# Altium PCB BMYY_PCB_RULER-Black.PcbDoc (part 3 of 4)
Units mm, origin at the board's own origin, x right, y up, seen from the top; angles counter-clockwise.
Board outline 310.85 x 30 mm, 2 copper layers (Top, Bottom), stack 1.569 mm thick; 49 components, 0 nets, 2684 pads, 0 vias.
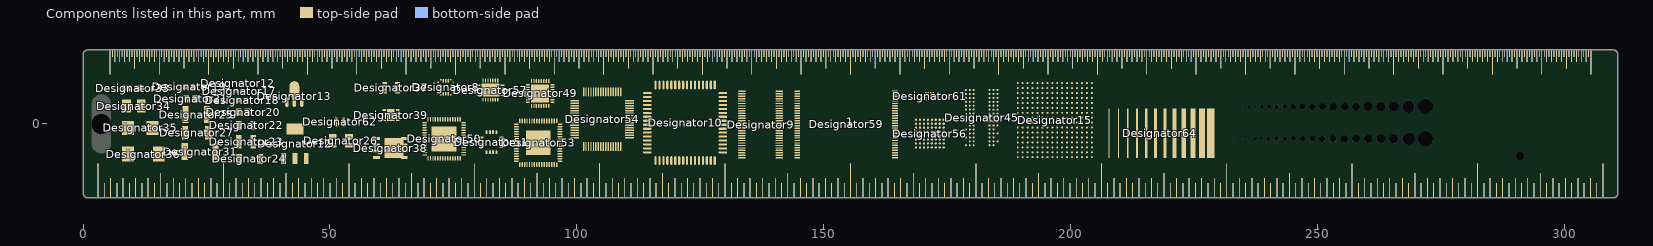
[diagram p3: the components of this part, seen from the top]

## Nets (pads, with @x,y where several pads share a name; then routed paths per layer and width w, separated by ;. In a path a pad name is that pad's centre, name@x,y a point inside that pad or via, vN(x,y) a via of type N, cw(c..) or ccw(c..) an arc to the next point about the centre after c; other vN are vias at no path point) (continued)
copper on no net: | length 2216.2
  Top w0.1: 276,-6.5 278.5,-6.5 ; 276.002,-6.238 277.21,-6.259 ; 276.009,-5.976 277.216,-6.018 ; 276.02,-5.715 277.227,-5.778 ; 276.036,-5.453 277.241,-5.538 ; 276.057,-5.192 278.049,-5.367 ; 276.082,-4.932 277.283,-5.058 ; 276.112,-4.672 277.31,-4.819 ; 276.146,-4.412 277.342,-4.58 ; 276.185,-4.153 277.377,-4.342 ; 276.228,-3.895 278.69,-4.329 ; 276.275,-3.638 277.461,-3.868 ; 276.328,-3.381 277.509,-3.632 ; 276.384,-3.125 277.561,-3.397 ; 276.445,-2.871 277.617,-3.163 ; 276.581,-2.365 277.742,-2.698 ; 276.655,-2.114 277.81,-2.467 ; 276.734,-1.864 277.883,-2.238 ; 276.817,-1.616 277.959,-2.009 ; 276.904,-1.369 279.254,-2.224 ; 276.996,-1.124 278.124,-1.557 ; 277.092,-0.881 278.212,-1.333 ; 277.192,-0.639 278.304,-1.111 ; 277.297,-0.399 278.4,-0.89 ; 277.518,0.076 278.604,-0.454 ; 277.635,0.31 278.711,-0.238 ; 277.678,-2.93 276.511,-2.617 278.443,-3.135 ; 277.756,0.542 278.822,-0.025 ; 277.881,0.772 278.937,0.187 ; 278.009,1 280.175,-0.25 ; 278.142,1.226 279.178,0.604 ; 278.279,1.449 279.303,0.809 ; 278.42,1.67 279.433,1.012 ; 278.5,-0.671 277.405,-0.16 279.218,-1.006 ; 278.564,1.888 279.566,1.213 ; 278.865,2.317 279.842,1.607 ; 279.02,2.528 279.985,1.801 ; 279.18,2.735 280.131,1.992 ; 279.343,2.94 280.281,2.18 ; 279.509,3.142 281.424,1.535 ; 279.679,3.341 280.591,2.549 ; 279.702,1.411 278.713,2.104 280.351,0.957 ; 279.853,3.537 280.75,2.729 ; 280.03,3.73 280.913,2.907 ; 280.21,3.92 281.079,3.081 ; 280.58,4.29 281.419,3.422 ; 280.77,4.471 281.594,3.587 ; 280.963,4.648 281.771,3.75 ; 281.159,4.821 281.951,3.909 ; 281.247,3.253 280.393,4.107 281.807,2.693 ; 281.358,4.991 282.965,3.076 ; 281.56,5.158 282.32,4.219 ; 281.765,5.32 282.509,4.369 ; 281.973,5.48 282.7,4.515 ; 282.034,-5.715 286.019,-6.064 ; 282.137,-4.937 286.076,-5.631 ; 282.183,5.636 282.893,4.658 ; 282.307,-4.17 286.17,-5.206 ; 282.543,-3.421 286.301,-4.79 ; 282.612,5.936 283.287,4.935 ; 282.83,6.08 283.488,5.067 ; 282.843,-2.696 286.468,-4.387 ; 283.051,6.221 283.691,5.197 ; 283.089,4.798 282.396,5.788 283.543,4.149 ; 283.206,-2 286.67,-4 ; 283.274,6.358 283.896,5.323 ; 283.5,6.491 284.75,4.326 ; 283.627,-1.337 286.904,-3.632 ; 283.728,6.62 284.313,5.563 ; 283.958,6.745 284.525,5.678 ; 284.105,-0.715 287.17,-3.286 ; 284.19,6.865 284.738,5.789 ; 284.424,6.982 284.954,5.897 ; 284.636,-0.136 287.464,-2.964 ; 284.899,7.204 285.39,6.1 ; 285.139,7.308 285.611,6.196 ; 285.171,6 284.661,7.095 285.506,5.282 ; 285.215,0.395 287.786,-2.669 ; 285.381,7.408 285.833,6.288 ; 285.624,7.504 286.057,6.376 ; 285.838,0.873 288.132,-2.404 ; 285.87,7.596 286.725,5.247 ; 286.116,7.683 286.51,6.541 ; 286.365,7.766 286.738,6.618 ; 286.5,1.295 288.5,-2.17 ; 286.614,7.845 286.967,6.69 ; 286.865,7.919 287.198,6.758 ; 287.196,1.657 288.887,-1.968 ; 287.371,8.055 287.663,6.883 ; 287.43,6.823 287.118,7.989 287.635,6.057 ; 287.626,8.116 287.897,6.939 ; 287.881,8.173 288.132,6.991 ; 287.922,1.958 289.29,-1.801 ; 288.045,-5.979 290.113,-6.344 ; 288.138,8.225 288.368,7.039 ; 288.181,-5.474 290.154,-6.192 ; 288.395,8.272 288.829,5.81 ; 288.402,-5 290.22,-6.05 ; 288.653,8.316 288.842,7.123 ; 288.67,2.194 289.706,-1.67 ; 288.701,-4.572 290.31,-5.921 ; 288.912,8.354 289.08,7.158 ; 289.071,-4.202 290.421,-5.81 ; 289.172,8.389 289.319,7.19 ; 289.432,8.418 289.558,7.217 ; 289.437,2.364 290.132,-1.576 ; 289.5,-3.902 290.55,-5.72 ; 289.798,7.24 289.692,8.443 289.867,6.451 ; 289.953,8.464 290.038,7.259 ; 289.973,-3.681 290.692,-5.654 ; 290.215,8.48 290.278,7.274 ; 290.215,2.466 290.564,-1.519 ; 290.476,8.491 290.519,7.284 ; 290.479,-3.545 290.843,-5.613 ; 290.738,8.498 290.759,7.29 ; 291,6 291,8.5 ; 291,6 291,8.5 ; 291.156,-5.613 291.52,-3.545 ; 291.241,7.29 291.262,8.498 ; 291.307,-5.654 292.026,-3.68 ; 291.436,-1.519 291.784,2.466 ; 291.45,-5.72 292.5,-3.901 ; 291.481,7.284 291.523,8.491 ; 291.578,-5.81 292.928,-4.201 ; 291.689,-5.921 293.298,-4.571 ; 291.722,7.274 291.785,8.48 ; 291.779,-6.049 293.598,-4.999 ; 291.845,-6.191 293.819,-5.473 ; 291.868,-1.576 292.563,2.364 ; 291.886,-6.343 293.954,-5.978 ; 291.9,-6.5 294,-6.5 ; 291.962,7.259 292.046,8.464 ; 292.133,6.451 292.307,8.443 292.202,7.24 ; 292.294,-1.67 293.329,2.194 ; 292.442,7.217 292.568,8.418 ; 292.681,7.19 292.828,8.389 ; 292.71,-1.801 294.078,1.958 ; 292.919,7.158 293.087,8.354 ; 293.113,-1.968 294.803,1.657 ; 293.157,7.123 293.346,8.316 ; 293.171,5.81 293.605,8.272 ; 293.5,-2.17 295.5,1.295 ; 293.632,7.039 293.862,8.225 ; 293.867,6.991 294.118,8.173 ; 293.868,-2.404 296.162,0.873 ; 294.102,6.939 294.374,8.116 ; 294.214,-2.669 296.785,0.395 ; 294.336,6.883 294.629,8.055 ; 294.364,6.057 294.882,7.989 294.57,6.823 ; 294.535,-2.964 297.364,-0.136 ; 294.801,6.758 295.134,7.919 ; 294.83,-3.286 297.894,-0.715 ; 295.032,6.69 295.385,7.845 ; 295.096,-3.632 298.372,-1.337 ; 295.262,6.617 295.635,7.766 ; 295.275,5.247 296.13,7.596 ; 295.33,-4 298.794,-2 ; 295.49,6.541 295.883,7.683 ; 295.531,-4.387 299.157,-2.696 ; 295.698,-4.79 299.457,-3.421 ; 295.829,-5.206 299.693,-4.17 ; 295.924,-5.631 299.863,-4.937 ; 295.943,6.376 296.375,7.504 ; 295.981,-6.064 299.966,-5.715 ; 296,-6.5 300,-6.5 ; 296.166,6.288 296.619,7.408 ; 296.389,6.196 296.861,7.308 ; 296.494,5.282 297.339,7.095 296.829,6 ; 296.61,6.1 297.101,7.204 ; 297.046,5.897 297.575,6.982 ; 297.25,4.326 298.5,6.491 ; 297.261,5.789 297.81,6.865 ; 297.475,5.678 298.042,6.745 ; 297.686,5.563 298.272,6.62 ; 298.103,5.323 298.725,6.358 ; 298.309,5.197 298.949,6.221 ; 298.456,4.149 299.603,5.788 298.911,4.798 ; 298.512,5.067 299.169,6.08 ; 298.712,4.935 299.388,5.936 ; 299.035,3.076 300.642,4.991 ; 299.107,4.658 299.817,5.636 ; 299.3,4.515 300.027,5.48 ; 299.491,4.369 300.235,5.321 ; 299.68,4.219 300.44,5.158 ; 300.048,3.909 300.841,4.821 ; 300.192,2.693 301.606,4.107 300.752,3.253 ; 300.229,3.75 301.037,4.648 ; 300.406,3.587 301.23,4.471 ; 300.576,1.535 302.491,3.142 ; 300.581,3.422 301.42,4.29 ; 300.921,3.081 301.79,3.92 ; 301.087,2.907 301.97,3.73 ; 301.249,2.729 302.147,3.537 ; 301.409,2.549 302.32,3.341 ; 301.649,0.957 303.287,2.104 302.298,1.411 ; 301.718,2.18 302.657,2.94 ; 301.825,-0.25 303.991,1 ; 301.868,1.992 302.82,2.735 ; 302.015,1.801 302.979,2.528 ; 302.158,1.607 303.135,2.317 ; 302.434,1.213 303.435,1.888 ; 302.567,1.012 303.58,1.67 ; 302.696,0.809 303.721,1.449 ; 302.746,-2.224 305.096,-1.369 ; 302.782,-1.006 304.594,-0.16 303.5,-0.671 ; 302.822,0.604 303.857,1.226 ; 303.063,0.187 304.119,0.773 ; 303.178,-0.025 304.244,0.542 ; 303.289,-0.238 304.365,0.31 ; 303.31,-4.329 305.772,-3.895 ; 303.396,-0.454 304.482,0.076 ; 303.5,-6.5 306,-6.5 ; 303.557,-3.135 305.489,-2.617 304.322,-2.93 ; 303.6,-0.89 304.703,-0.399 ; 303.696,-1.111 304.807,-0.639 ; 303.788,-1.333 304.908,-0.881 ; 303.876,-1.557 305.004,-1.124 ; 303.95,-5.367 305.943,-5.192 304.74,-5.298 ; 304.041,-2.009 305.183,-1.616 ; 304.117,-2.238 305.266,-1.864 ; 304.189,-2.467 305.344,-2.114 ; 304.258,-2.698 305.419,-2.365 ; 304.382,-3.163 305.554,-2.871 ; 304.439,-3.397 305.615,-3.125 ; 304.491,-3.632 305.672,-3.381 ; 304.539,-3.868 305.724,-3.637 ; 304.622,-4.342 305.815,-4.153 ; 304.658,-4.58 305.854,-4.412 ; 304.689,-4.819 305.888,-4.672 ; 304.716,-5.058 305.918,-4.932 ; 304.758,-5.538 305.963,-5.453 ; 304.773,-5.778 305.979,-5.715 ; 304.784,-6.018 305.991,-5.976 ; 304.79,-6.259 305.998,-6.238 ; 282,-6.5 286,-6.5 282,-6.5 ; 288,-6.5 290.1,-6.5 288,-6.5 ; 291,-5.6 291,-3.5 290.999,-5.6 ; 291,-1.5 291,2.5 291,-1.5
  Bottom w0.1: 276,-6.5 278.5,-6.5 ; 276.002,-6.238 277.21,-6.259 ; 276.009,-5.976 277.216,-6.018 ; 276.02,-5.715 277.227,-5.778 ; 276.036,-5.453 277.241,-5.538 ; 276.057,-5.192 278.049,-5.367 ; 276.082,-4.932 277.283,-5.058 ; 276.112,-4.672 277.31,-4.819 ; 276.146,-4.412 277.342,-4.58 ; 276.185,-4.153 277.377,-4.342 ; 276.228,-3.895 278.69,-4.329 ; 276.275,-3.638 277.461,-3.868 ; 276.328,-3.381 277.509,-3.632 ; 276.384,-3.125 277.561,-3.397 ; 276.445,-2.871 277.617,-3.163 ; 276.581,-2.365 277.742,-2.698 ; 276.655,-2.114 277.81,-2.467 ; 276.734,-1.864 277.883,-2.238 ; 276.817,-1.616 277.959,-2.009 ; 276.904,-1.369 279.254,-2.224 ; 276.996,-1.124 278.124,-1.557 ; 277.092,-0.881 278.212,-1.333 ; 277.192,-0.639 278.304,-1.111 ; 277.297,-0.399 278.4,-0.89 ; 277.518,0.076 278.604,-0.454 ; 277.635,0.31 278.711,-0.238 ; 277.678,-2.93 276.511,-2.617 278.443,-3.135 ; 277.756,0.542 278.822,-0.025 ; 277.881,0.772 278.937,0.187 ; 278.009,1 280.175,-0.25 ; 278.142,1.226 279.178,0.604 ; 278.279,1.449 279.303,0.809 ; 278.42,1.67 279.433,1.012 ; 278.5,-0.671 277.405,-0.16 279.218,-1.006 ; 278.564,1.888 279.566,1.213 ; 278.865,2.317 279.842,1.607 ; 279.02,2.528 279.985,1.801 ; 279.18,2.735 280.131,1.992 ; 279.343,2.94 280.281,2.18 ; 279.509,3.142 281.424,1.535 ; 279.679,3.341 280.591,2.549 ; 279.702,1.411 278.713,2.104 280.351,0.957 ; 279.853,3.537 280.75,2.729 ; 280.03,3.73 280.913,2.907 ; 280.21,3.92 281.079,3.081 ; 280.58,4.29 281.419,3.422 ; 280.77,4.471 281.594,3.587 ; 280.963,4.648 281.771,3.75 ; 281.159,4.821 281.951,3.909 ; 281.247,3.253 280.393,4.107 281.807,2.693 ; 281.358,4.991 282.965,3.076 ; 281.56,5.158 282.32,4.219 ; 281.765,5.32 282.509,4.369 ; 281.973,5.48 282.7,4.515 ; 282.034,-5.715 286.019,-6.064 ; 282.137,-4.937 286.076,-5.631 ; 282.183,5.636 282.893,4.658 ; 282.307,-4.17 286.17,-5.206 ; 282.543,-3.421 286.301,-4.79 ; 282.612,5.936 283.287,4.935 ; 282.83,6.08 283.488,5.067 ; 282.843,-2.696 286.468,-4.387 ; 283.051,6.221 283.691,5.197 ; 283.089,4.798 282.396,5.788 283.543,4.149 ; 283.206,-2 286.67,-4 ; 283.274,6.358 283.896,5.323 ; 283.5,6.491 284.75,4.326 ; 283.627,-1.337 286.904,-3.632 ; 283.728,6.62 284.313,5.563 ; 283.958,6.745 284.525,5.678 ; 284.105,-0.715 287.17,-3.286 ; 284.19,6.865 284.738,5.789 ; 284.424,6.982 284.954,5.897 ; 284.636,-0.136 287.464,-2.964 ; 284.899,7.204 285.39,6.1 ; 285.139,7.308 285.611,6.196 ; 285.171,6 284.661,7.095 285.506,5.282 ; 285.215,0.395 287.786,-2.669 ; 285.381,7.408 285.833,6.288 ; 285.624,7.504 286.057,6.376 ; 285.838,0.873 288.132,-2.404 ; 285.87,7.596 286.725,5.247 ; 286.116,7.683 286.51,6.541 ; 286.365,7.766 286.738,6.618 ; 286.5,1.295 288.5,-2.17 ; 286.614,7.845 286.967,6.69 ; 286.865,7.919 287.198,6.758 ; 287.196,1.657 288.887,-1.968 ; 287.371,8.055 287.663,6.883 ; 287.43,6.823 287.118,7.989 287.635,6.057 ; 287.626,8.116 287.897,6.939 ; 287.881,8.173 288.132,6.991 ; 287.922,1.958 289.29,-1.801 ; 288.045,-5.979 290.113,-6.344 ; 288.138,8.225 288.368,7.039 ; 288.181,-5.474 290.154,-6.192 ; 288.395,8.272 288.829,5.81 ; 288.402,-5 290.22,-6.05 ; 288.653,8.316 288.842,7.123 ; 288.67,2.194 289.706,-1.67 ; 288.701,-4.572 290.31,-5.921 ; 288.912,8.354 289.08,7.158 ; 289.071,-4.202 290.421,-5.81 ; 289.172,8.389 289.319,7.19 ; 289.432,8.418 289.558,7.217 ; 289.437,2.364 290.132,-1.576 ; 289.5,-3.902 290.55,-5.72 ; 289.798,7.24 289.692,8.443 289.867,6.451 ; 289.953,8.464 290.038,7.259 ; 289.973,-3.681 290.692,-5.654 ; 290.215,8.48 290.278,7.274 ; 290.215,2.466 290.564,-1.519 ; 290.476,8.491 290.519,7.284 ; 290.479,-3.545 290.843,-5.613 ; 290.738,8.498 290.759,7.29 ; 291,6 291,8.5 ; 291,6 291,8.5 ; 291.156,-5.613 291.52,-3.545 ; 291.241,7.29 291.262,8.498 ; 291.307,-5.654 292.026,-3.68 ; 291.436,-1.519 291.784,2.466 ; 291.45,-5.72 292.5,-3.901 ; 291.481,7.284 291.523,8.491 ; 291.578,-5.81 292.928,-4.201 ; 291.689,-5.921 293.298,-4.571 ; 291.722,7.274 291.785,8.48 ; 291.779,-6.049 293.598,-4.999 ; 291.845,-6.191 293.819,-5.473 ; 291.868,-1.576 292.563,2.364 ; 291.886,-6.343 293.954,-5.978 ; 291.9,-6.5 294,-6.5 ; 291.962,7.259 292.046,8.464 ; 292.133,6.451 292.307,8.443 292.202,7.24 ; 292.294,-1.67 293.329,2.194 ; 292.442,7.217 292.568,8.418 ; 292.681,7.19 292.828,8.389 ; 292.71,-1.801 294.078,1.958 ; 292.919,7.158 293.087,8.354 ; 293.113,-1.968 294.803,1.657 ; 293.157,7.123 293.346,8.316 ; 293.171,5.81 293.605,8.272 ; 293.5,-2.17 295.5,1.295 ; 293.632,7.039 293.862,8.225 ; 293.867,6.991 294.118,8.173 ; 293.868,-2.404 296.162,0.873 ; 294.102,6.939 294.374,8.116 ; 294.214,-2.669 296.785,0.395 ; 294.336,6.883 294.629,8.055 ; 294.364,6.057 294.882,7.989 294.57,6.823 ; 294.535,-2.964 297.364,-0.136 ; 294.801,6.758 295.134,7.919 ; 294.83,-3.286 297.894,-0.715 ; 295.032,6.69 295.385,7.845 ; 295.096,-3.632 298.372,-1.337 ; 295.262,6.617 295.635,7.766 ; 295.275,5.247 296.13,7.596 ; 295.33,-4 298.794,-2 ; 295.49,6.541 295.883,7.683 ; 295.531,-4.387 299.157,-2.696 ; 295.698,-4.79 299.457,-3.421 ; 295.829,-5.206 299.693,-4.17 ; 295.924,-5.631 299.863,-4.937 ; 295.943,6.376 296.375,7.504 ; 295.981,-6.064 299.966,-5.715 ; 296,-6.5 300,-6.5 ; 296.166,6.288 296.619,7.408 ; 296.389,6.196 296.861,7.308 ; 296.494,5.282 297.339,7.095 296.829,6 ; 296.61,6.1 297.101,7.204 ; 297.046,5.897 297.575,6.982 ; 297.25,4.326 298.5,6.491 ; 297.261,5.789 297.81,6.865 ; 297.475,5.678 298.042,6.745 ; 297.686,5.563 298.272,6.62 ; 298.103,5.323 298.725,6.358 ; 298.309,5.197 298.949,6.221 ; 298.456,4.149 299.603,5.788 298.911,4.798 ; 298.512,5.067 299.169,6.08 ; 298.712,4.935 299.388,5.936 ; 299.035,3.076 300.642,4.991 ; 299.107,4.658 299.817,5.636 ; 299.3,4.515 300.027,5.48 ; 299.491,4.369 300.235,5.321 ; 299.68,4.219 300.44,5.158 ; 300.048,3.909 300.841,4.821 ; 300.192,2.693 301.606,4.107 300.752,3.253 ; 300.229,3.75 301.037,4.648 ; 300.406,3.587 301.23,4.471 ; 300.576,1.535 302.491,3.142 ; 300.581,3.422 301.42,4.29 ; 300.921,3.081 301.79,3.92 ; 301.087,2.907 301.97,3.73 ; 301.249,2.729 302.147,3.537 ; 301.409,2.549 302.32,3.341 ; 301.649,0.957 303.287,2.104 302.298,1.411 ; 301.718,2.18 302.657,2.94 ; 301.825,-0.25 303.991,1 ; 301.868,1.992 302.82,2.735 ; 302.015,1.801 302.979,2.528 ; 302.158,1.607 303.135,2.317 ; 302.434,1.213 303.435,1.888 ; 302.567,1.012 303.58,1.67 ; 302.696,0.809 303.721,1.449 ; 302.746,-2.224 305.096,-1.369 ; 302.782,-1.006 304.594,-0.16 303.5,-0.671 ; 302.822,0.604 303.857,1.226 ; 303.063,0.187 304.119,0.773 ; 303.178,-0.025 304.244,0.542 ; 303.289,-0.238 304.365,0.31 ; 303.31,-4.329 305.772,-3.895 ; 303.396,-0.454 304.482,0.076 ; 303.5,-6.5 306,-6.5 ; 303.557,-3.135 305.489,-2.617 304.322,-2.93 ; 303.6,-0.89 304.703,-0.399 ; 303.696,-1.111 304.807,-0.639 ; 303.788,-1.333 304.908,-0.881 ; 303.876,-1.557 305.004,-1.124 ; 303.95,-5.367 305.943,-5.192 304.74,-5.298 ; 304.041,-2.009 305.183,-1.616 ; 304.117,-2.238 305.266,-1.864 ; 304.189,-2.467 305.344,-2.114 ; 304.258,-2.698 305.419,-2.365 ; 304.382,-3.163 305.554,-2.871 ; 304.439,-3.397 305.615,-3.125 ; 304.491,-3.632 305.672,-3.381 ; 304.539,-3.868 305.724,-3.637 ; 304.622,-4.342 305.815,-4.153 ; 304.658,-4.58 305.854,-4.412 ; 304.689,-4.819 305.888,-4.672 ; 304.716,-5.058 305.918,-4.932 ; 304.758,-5.538 305.963,-5.453 ; 304.773,-5.778 305.979,-5.715 ; 304.784,-6.018 305.991,-5.976 ; 304.79,-6.259 305.998,-6.238 ; 282,-6.5 286,-6.5 282,-6.5 ; 288,-6.5 290.1,-6.5 288,-6.5 ; 290.999,-5.6 290.999,-3.5 291,-5.6 ; 291,-1.5 291,2.5 291,-1.5
  Bottom w0.152: 128.35,1.55 128.35,1.562 ; 130.05,-6.25 133.18,-6.25 ; 130.05,-4.688 133.18,-4.688 ; 130.05,-3.125 133.18,-3.125 ; 130.05,-1.563 133.18,-1.563 ; 130.05,0 133.18,0 ; 130.05,1.562 133.18,1.562 ; 130.053,3.125 133.18,3.125 ; 130.053,4.687 133.18,4.687 ; 160.031,7.5 160.043,7.5 ; 169.25,-6.25 167.55,-6.25 ; 169.25,1.55 169.25,1.562 167.55,1.562 ; 169.25,3.125 167.55,3.125 ; 169.25,4.687 160.043,4.687 156.3,4.687 ; 171.8,1.55 171.8,1.562 ; 173.5,-6.25 176.63,-6.25 ; 173.5,-4.688 176.63,-4.688 ; 173.5,-3.125 176.63,-3.125 ; 173.5,-1.563 176.63,-1.563 ; 173.5,0 176.63,0 ; 173.5,1.562 176.63,1.562 ; 173.503,3.125 176.63,3.125 ; 173.503,4.687 176.63,4.687 ; 203.481,7.5 203.493,7.5 ; 212.7,-6.25 211,-6.25 ; 212.7,1.55 212.7,1.562 211,1.562 ; 212.7,3.125 211,3.125 ; 212.7,4.687 203.493,4.687 199.75,4.687 ; 215.25,-6.25 229,-6.25 ; 215.25,-4.688 229,-4.688 ; 215.25,-3.125 229,-3.125 ; 215.25,-1.563 229,-1.563 ; 215.25,0 229,0 ; 215.25,1.562 229,1.562 ; 215.25,3.125 229,3.125 ; 215.25,4.687 229,4.687 ; 133.18,-6.25 136.307,-6.25 ; 133.18,-6.25 133.18,-4.688 ; 133.18,-4.688 136.307,-4.688 ; 133.18,-4.688 133.18,-3.125 ; 133.18,-3.125 136.307,-3.125 ; 133.18,-3.125 133.18,-1.563 ; 133.18,-1.563 136.307,-1.563 ; 133.18,-1.563 133.18,0 ; 133.18,0 136.307,0 ; 133.18,0 133.18,1.562 ; 133.18,1.562 136.307,1.562 ; 133.18,3.125 133.18,4.687 ; 133.18,3.125 136.307,3.125 ; 133.18,4.687 136.307,4.687 ; 136.307,-6.25 136.307,-4.688 ; 136.307,-6.25 140.05,-6.25 143.177,-6.25 ; 136.307,-4.688 136.307,-3.125 ; 136.307,-4.688 140.05,-4.688 143.177,-4.688 ; 136.307,-3.125 136.307,-1.563 ; 136.307,-3.125 140.05,-3.125 143.177,-3.125 ; 136.307,-1.563 140.05,-1.563 143.177,-1.563 ; 136.307,-1.563 136.307,0 ; 136.307,0 140.05,0 143.177,0 ; 136.307,0 136.307,1.562 ; 136.307,1.562 140.05,1.562 143.177,1.562 ; 136.307,3.125 136.307,4.687 ; 136.307,3.125 140.05,3.125 143.177,3.125 ; 136.307,4.687 140.05,4.687 143.177,4.687 ; 143.177,-6.25 146.303,-6.25 ; 143.177,-6.25 143.177,-4.688 ; 143.177,-4.688 146.303,-4.688 ; 143.177,-4.688 143.177,-3.125 ; 143.177,-3.125 146.303,-3.125 ; 143.177,-3.125 143.177,-1.563 ; 143.177,-1.563 143.177,0 ; 143.177,-1.563 146.303,-1.563 ; 143.177,0 143.177,1.562 ; 143.177,0 146.303,0 ; 143.177,1.562 146.303,1.562 ; 143.177,3.125 143.177,4.687 ; 143.177,3.125 146.303,3.125 ; 143.177,4.687 146.303,4.687 ; 146.303,-6.25 150.05,-6.25 153.174,-6.25 ; 146.303,-6.25 146.303,-4.688 ; 146.303,-4.688 150.05,-4.688 153.174,-4.688 ; 146.303,-4.688 146.303,-3.125 ; 146.303,-3.125 150.05,-3.125 153.174,-3.125 ; 146.303,-3.125 146.303,-1.563 ; 146.303,-1.563 150.05,-1.563 153.174,-1.563 ; 146.303,-1.563 146.303,0 ; 146.303,0 150.05,0 153.174,0 ; 146.303,0 146.303,1.562 ; 146.303,1.562 150.05,1.562 153.174,1.562 ; 146.303,3.125 146.303,4.687 ; 146.303,3.125 150.046,3.125 153.174,3.125 ; 146.303,4.687 150.046,4.687 153.122,4.687 ; 153.122,4.687 153.174,4.687 153.174,3.125 ; 153.122,4.687 156.3,4.687 ; 153.174,-6.25 156.3,-6.25 ; 153.174,-6.25 153.174,-4.688 ; 153.174,-4.688 156.3,-4.688 ; 153.174,-4.688 153.174,-3.125 ; 153.174,-3.125 156.3,-3.125 ; 153.174,-3.125 153.174,-1.563 ; 153.174,-1.563 156.3,-1.563 ; 153.174,-1.563 153.174,0 ; 153.174,0 153.174,1.562 ; 153.174,0 156.3,0 ; 153.174,1.562 156.3,1.562 ; 153.174,3.125 156.3,3.125 ; 156.3,-6.25 160.05,-6.25 164.154,-6.25 ; 156.3,-6.25 156.3,-4.688 ; 156.3,-4.688 160.05,-4.688 164.154,-4.688 ; 156.3,-4.688 156.3,-3.125 ; 156.3,-3.125 160.05,-3.125 164.154,-3.125 ; 156.3,-3.125 156.3,-1.563 ; 156.3,-1.563 160.05,-1.563 164.154,-1.563 ; 156.3,-1.563 156.3,0 ; 156.3,0 160.05,0 164.154,0 ; 156.3,0 156.3,1.562 ; 156.3,1.562 160.05,1.562 164.154,1.562 ; 156.3,3.125 160.05,3.125 160.043,3.125 164.154,3.125 ; 156.3,3.125 156.3,4.687 ; 164.154,-6.25 167.55,-6.25 ; 164.154,-6.25 164.154,-4.688 ; 164.154,-4.688 167.55,-4.688 ; 164.154,-4.688 164.154,-3.125 ; 164.154,-3.125 164.154,-1.563 ; 164.154,-3.125 167.55,-3.125 ; 164.154,-1.563 164.154,0 ; 164.154,-1.563 167.55,-1.563 ; 164.154,0 164.154,1.562 ; 164.154,0 167.55,0 ; 164.154,1.562 167.55,1.562 ; 164.154,1.562 164.154,3.125 ; 164.154,3.125 164.243,3.125 167.55,3.125 ; 167.55,-6.25 167.55,-4.688 ; 167.55,-4.688 167.55,-3.125 ; 167.55,-3.125 167.55,-1.563 ; 167.55,-1.563 167.55,0 ; 167.55,0 167.55,1.562 ; 167.55,1.562 167.55,3.125 ; 176.63,-6.25 176.63,-4.688 ; 176.63,-6.25 179.757,-6.25 ; 176.63,-4.688 176.63,-3.125 ; 176.63,-4.688 179.757,-4.688 ; 176.63,-3.125 176.63,-1.563 ; 176.63,-3.125 179.757,-3.125 ; 176.63,-1.563 176.63,0 ; 176.63,-1.563 179.757,-1.563 ; 176.63,0 176.63,1.562 ; 176.63,0 179.757,0 ; 176.63,1.562 179.757,1.562 ; 176.63,3.125 179.757,3.125 ; 176.63,3.125 176.63,4.687 ; 176.63,4.687 179.757,4.687 ; 179.757,-6.25 183.5,-6.25 186.627,-6.25 ; 179.757,-6.25 179.757,-4.688 ; 179.757,-4.688 183.5,-4.688 186.627,-4.688 ; 179.757,-4.688 179.757,-3.125 ; 179.757,-3.125 183.5,-3.125 186.627,-3.125 ; 179.757,-3.125 179.757,-1.563 ; 179.757,-1.563 179.757,0 ; 179.757,-1.563 183.5,-1.563 186.627,-1.563 ; 179.757,0 179.757,1.562 ; 179.757,0 183.5,0 186.627,0 ; 179.757,1.562 183.5,1.562 186.627,1.562 ; 179.757,3.125 183.5,3.125 186.627,3.125 ; 179.757,3.125 179.757,4.687 ; 179.757,4.687 183.5,4.687 186.627,4.687 ; 186.627,-6.25 186.627,-4.688 ; 186.627,-6.25 189.753,-6.25 ; 186.627,-4.688 186.627,-3.125 ; 186.627,-4.688 189.753,-4.688 ; 186.627,-3.125 186.627,-1.563 ; 186.627,-3.125 189.753,-3.125 ; 186.627,-1.563 189.753,-1.563 ; 186.627,-1.563 186.627,0 ; 186.627,0 189.753,0 ; 186.627,0 186.627,1.562 ; 186.627,1.562 189.753,1.562 ; 186.627,3.125 189.753,3.125 ; 186.627,3.125 186.627,4.687 ; 186.627,4.687 189.753,4.687 ; 189.753,-6.25 189.753,-4.688 ; 189.753,-6.25 193.5,-6.25 196.624,-6.25 ; 189.753,-4.688 189.753,-3.125 ; 189.753,-4.688 193.5,-4.688 196.624,-4.688 ; 189.753,-3.125 189.753,-1.563 ; 189.753,-3.125 193.5,-3.125 196.624,-3.125 ; 189.753,-1.563 189.753,0 ; 189.753,-1.563 193.5,-1.563 196.624,-1.563 ; 189.753,0 189.753,1.562 ; 189.753,0 193.5,0 196.624,0 ; 189.753,1.562 193.5,1.562 196.624,1.562 ; 189.753,3.125 193.496,3.125 196.624,3.125 ; 189.753,3.125 189.753,4.687 ; 189.753,4.687 193.496,4.687 196.572,4.687 ; 196.572,4.687 199.75,4.687 ; 196.572,4.687 196.624,4.687 196.624,3.125 ; 196.624,-6.25 196.624,-4.688 ; 196.624,-6.25 199.75,-6.25 ; 196.624,-4.688 196.624,-3.125 ; 196.624,-4.688 199.75,-4.688 ; 196.624,-3.125 196.624,-1.563 ; 196.624,-3.125 199.75,-3.125 ; 196.624,-1.563 196.624,0 ; 196.624,-1.563 199.75,-1.563 ; 196.624,0 199.75,0 ; 196.624,0 196.624,1.562 ; 196.624,1.562 199.75,1.562 ; 196.624,3.125 199.75,3.125 ; 199.75,-6.25 199.75,-4.688 ; 199.75,-6.25 203.5,-6.25 207.604,-6.25 ; 199.75,-4.688 199.75,-3.125 ; 199.75,-4.688 203.5,-4.688 207.604,-4.688 ; 199.75,-3.125 199.75,-1.563 ; 199.75,-3.125 203.5,-3.125 207.604,-3.125 ; 199.75,-1.563 199.75,0 ; 199.75,-1.563 203.5,-1.563 207.604,-1.563 211,-1.563 ; 199.75,0 199.75,1.562 ; 199.75,0 203.5,0 207.604,0 211,0 ; 199.75,1.562 203.5,1.562 207.604,1.562 ; 199.75,3.125 199.75,4.687 ; 199.75,3.125 203.5,3.125 203.493,3.125 207.604,3.125 ; 207.604,-6.25 207.604,-4.688 ; 207.604,-6.25 211,-6.25 ; 207.604,-4.688 207.604,-3.125 ; 207.604,-4.688 211,-4.688 ; 207.604,-3.125 207.604,1.562 ; 207.604,-3.125 211,-3.125 ; 207.604,1.562 207.604,3.125 ; 207.604,1.562 211,1.562 ; 207.604,3.125 207.693,3.125 211,3.125 ; 211,-6.25 211,-4.688 ; 211,-4.688 211,-3.125 ; 211,-3.125 211,-1.563 ; 211,-1.563 211,0 ; 211,0 211,1.562 ; 211,1.562 211,3.125 ; 222.771,-5.029 ccw(c222.675,-5.029) 222.771,-5.029
  Bottom w0.254: 140.05,-6.174 140.05,-4.611 ; 140.05,-4.688 140.05,-3.125 140.05,-1.563 140.05,0 140.05,1.5 ; 140.05,3.125 140.05,4.687 140.05,7.5 ; 150.046,3.125 150.046,4.687 150.046,7.5 ; 150.05,-6.174 150.05,-4.611 ; 150.05,-4.688 150.05,-3.125 150.05,-1.563 150.05,0 150.05,1.5 ; 160.043,3.125 160.043,4.687 160.043,7.5 ; 160.05,-6.174 160.05,-4.611 ; 160.05,-4.688 160.05,-3.125 160.05,-1.563 160.05,0 160.05,1.5 160.05,3.125 ; 183.5,-6.199 183.5,-4.637 ; 183.5,-4.688 183.5,-3.125 183.5,-1.563 183.5,0 183.5,1.5 ; 183.5,3.125 183.5,4.687 183.5,7.5 ; 193.496,3.125 193.496,4.687 193.496,7.5 ; 193.5,-6.199 193.5,-4.637 ; 193.5,-4.688 193.5,-3.125 193.5,-1.563 193.5,0 193.5,1.5 ; 203.493,3.125 203.493,4.687 203.493,7.5 ; 203.5,-6.199 203.5,-4.637 ; 203.5,-4.688 203.5,-3.125 203.5,-1.563 203.5,0 203.5,1.5 203.5,3.125 ; 130.05,-7.5 130.05,-6.25 130.05,-4.688 130.05,-3.125 130.05,-1.563 130.05,0 130.05,1.5 130.05,3.125 130.05,4.687 130.05,7.5 130.053,7.5 ; 130.05,-7.5 133.18,-7.5 136.307,-7.5 140.05,-7.5 143.177,-7.5 146.303,-7.5 150.05,-7.5 153.174,-7.5 156.3,-7.5 160.05,-7.5 168,-7.5 ccw(c168,-6.25) 169.25,-6.25 169.25,-4.688 169.25,-3.85 169.25,-3.125 169.25,-2.5 169.25,-1.563 169.25,-1.15 169.25,0 169.25,0.2 169.25,1.55 169.25,2.9 169.25,3.125 169.25,4.25 169.25,4.687 169.25,5.754 169.25,6.25 ccw(c168,6.25) 168,7.5 160.031,7.5 155.05,7.5 150.046,7.5 ; 130.05,-7.5 129.6,-7.5 cw(c129.6,-6.25) 128.35,-6.25 128.35,-4.688 128.35,-3.85 128.35,-3.125 128.35,-2.5 128.35,-1.563 128.35,-1.15 128.35,0 128.35,0.2 128.35,1.55 128.35,2.9 128.35,3.125 128.35,4.25 128.35,4.687 128.35,5.754 128.35,6.25 cw(c129.6,6.25) 129.6,7.5 130.053,7.5 ; 130.053,7.5 140.05,7.5 ; 140.05,7.5 150.046,7.5 ; 173.5,-7.5 173.05,-7.5 cw(c173.05,-6.25) 171.8,-6.25 171.8,-4.688 171.8,-3.85 171.8,-3.125 171.8,-2.5 171.8,-1.563 171.8,-1.15 171.8,0 171.8,0.2 171.8,1.55 171.8,2.9 171.8,3.125 171.8,4.25 171.8,4.687 171.8,5.754 171.8,6.25 cw(c173.05,6.25) 173.05,7.5 173.503,7.5 ; 173.5,-7.5 176.63,-7.5 179.757,-7.5 183.5,-7.5 186.627,-7.5 189.753,-7.5 193.5,-7.5 196.624,-7.5 199.75,-7.5 203.5,-7.5 211.45,-7.5 ccw(c211.45,-6.25) 212.7,-6.25 212.7,-4.688 212.7,-3.85 212.7,-3.125 212.7,-2.5 212.7,-1.563 212.7,-1.15 212.7,0 212.7,0.2 212.7,1.55 212.7,2.9 212.7,3.125 212.7,4.25 212.7,4.687 212.7,5.754 212.7,6.25 ccw(c211.45,6.25) 211.45,7.5 203.481,7.5 198.5,7.5 193.496,7.5 ; 173.5,-7.5 173.5,-6.25 173.5,-4.688 173.5,-3.125 173.5,-1.563 173.5,0 173.5,1.5 173.5,3.125 173.5,4.687 173.5,7.5 173.503,7.5 ; 173.503,7.5 183.5,7.5 ; 183.5,7.5 193.496,7.5 ; 215.25,-6.25 ccw(c216.5,-6.25) 216.5,-7.5 227.75,-7.5 ccw(c227.75,-6.25) 229,-6.25 229,4.25 229,6.25 ccw(c227.75,6.25) 227.75,7.5 216.5,7.5 ccw(c216.5,6.25) 215.25,6.25 215.25,4.25 215.25,-6.25

## Keep-outs
Keep-Out Layer:
  lines w0.01: 276,-6.5 cw(c291,-6.5) 306,-6.5 ; 280,-6.5 cw(c291,-6.5) 302,-6.5 300,-6.5 ccw(c291,-6.5) 282,-6.5 280,-6.5 ; 286,-6.5 cw(c291,-6.5) 296,-6.5 294,-6.5 ccw(c291,-6.5) 288,-6.5 286,-6.5

## Other copper
Top:
  text "mm" at 1.1,10.212 h1.27
  text "0" at 5.7,10 h3
  text "10" at 15.7,10 h3
  text "20" at 25.7,10 h3
  text "30" at 35.7,10 h3
  text "40" at 45.7,10 h3
  text "50" at 55.7,10 h3
  text "60" at 65.7,10 h3
  text "70" at 75.7,10 h3
  text "80" at 85.7,10 h3
  text "90" at 95.7,10 h3
  text "100" at 105.7,10 h3
  text "110" at 115.7,10 h3
  text "120" at 125.7,10 h3
  text "130" at 135.7,10 h3
  text "140" at 145.7,10 h3
  text "150" at 155.7,10 h3
  text "160" at 165.7,10 h3
  text "170" at 175.7,10 h3
  text "180" at 185.7,10 h3
  text "190" at 195.7,10 h3
  text "200" at 205.7,10 h3
  text "210" at 215.7,10 h3
  text "220" at 225.7,10 h3
  text "230" at 235.7,10 h3
  text "240" at 245.7,10 h3
  text "250" at 255.7,10 h3
  text "260" at 265.7,10 h3
  text "270" at 275.7,10 h3
  text "280" at 285.7,10 h3
  text "290" at 295.7,10 h3
  text "300" at 305.7,10 h3
  text "0201" at 33.4,7.9 h1.52
  text "0603_LED" at 23.6,7.1 h1.52
  text "CASE-A" at 13.8,6.8 h1.52
  text "0402" at 33.4,6.1 h1.52
  text "mm" at 232.9,5.4 h1.52 r90
  text "0.2" at 234.3,5.399 h1.14 r90
  text "0.3" at 235.3,5.399 h1.14 r90
  text "0.5" at 236.374,5.399 h1.14 r90
  text "0.6" at 237.703,5.399 h1.14 r90
  text "0.7" at 239.065,5.399 h1.14 r90
  text "0.8" at 240.526,5.399 h1.14 r90
  text "0.9" at 242.087,5.399 h1.14 r90
  text "1.0" at 243.748,5.399 h1.14 r90
  text "1.1" at 245.509,5.399 h1.14 r90
  text "1.2" at 247.371,5.399 h1.14 r90
  text "1.3" at 249.332,5.399 h1.14 r90
  text "1.4" at 251.393,5.399 h1.14 r90
  text "1.5" at 253.554,5.399 h1.14 r90
  text "1.6" at 255.815,5.399 h1.14 r90
  text "1.7" at 258.177,5.399 h1.14 r90
  text "1.8" at 260.638,5.399 h1.14 r90
  text "1.9" at 263.199,5.399 h1.14 r90
  text "2.0" at 265.86,5.398 h1.14 r90
  text "2.5" at 268.821,5.398 h1.14 r90
  text "3.0" at 272.283,5.399 h1.14 r90
  text "100" at 292.194,4.867 h1.14 r350
  text "90" at 290.201,4.814 h1.63
  text "0.22F" at 50.27,4.719 h1.52
  text "0805_LED" at 24.2,4.7 h1.52
  text "80" at 288.459,4.649 h1.14 r10
  text "DFN-8 3x3" at 59.1,4.441 h1.52
  text "0603" at 34.3,4.4 h1.52
  text "110" at 294.101,4.425 h1.14 r340
  text "UFQFPN-20" at 69.159,4.26 h1.52
  text "70" at 286.564,4.007 h1.14 r20
  text "120" at 295.961,3.711 h1.14 r330
  text "TQFN-24" at 79.755,3.136 h1.52
  text "CASE-B" at 13.8,3.1 h1.52
  text "60" at 284.805,3.046 h1.14 r30
  text "BGA-14" at 169.126,2.883 h1.52
  text "130" at 297.718,2.747 h1.14 r320
  text "SOT-89" at 40.4,2.129 h1.52
  text "HVQFN-32" at 89.341,1.939 h1.52
  text "0805" at 34.4,1.9 h1.52
  text "50" at 283.235,1.819 h1.14 r40
  text "140" at 299.222,1.44 h1.14 r310
  text "1812" at 21.5,1.4 h1.52
  text "QFP-64" at 103.045,0.644 h1.52
  text "40" at 281.871,0.379 h1.14 r50
  text "TSOP-56" at 152.01,-0.094 h1.52
  text "TQFP-64" at 118.917,-0.1 h1.52
  text "150" at 300.475,-0.108 h1.14 r300
  text "1206" at 35.373,-0.787 h1.52
  text "mil" at 232.9,-0.899 h1.52 r90
  text "8" at 234.3,-0.9 h1.14 r90
  text "12" at 235.274,-0.9 h1.14 r90
  text "16" at 236.372,-0.9 h1.14 r90
  text "20" at 237.634,-0.901 h1.14 r90
  text "24" at 239.007,-0.901 h1.14 r90
  text "28" at 240.456,-0.901 h1.14 r90
  text "32" at 242.017,-0.9 h1.14 r90
  text "36" at 243.678,-0.9 h1.14 r90
  text "40" at 245.44,-0.9 h1.14 r90
  text "44" at 247.313,-0.9 h1.14 r90
  text "48" at 249.262,-0.9 h1.14 r90
  text "52" at 251.323,-0.9 h1.14 r90
  text "56" at 253.484,-0.9 h1.14 r90
  text "60" at 255.746,-0.9 h1.14 r90
  text "64" at 258.107,-0.9 h1.14 r90
  text "68" at 260.568,-0.9 h1.14 r90
  text "72" at 263.142,-0.9 h1.14 r90
  text "76" at 265.79,-0.9 h1.14 r90
  text "80" at 268.752,-0.9 h1.14 r90
  text "84" at 272.213,-0.9 h1.14 r90
  text "DFN-8-EP 3x3" at 58.082,-1.087 h1.52
  text "C" at 11.2,-1.2 h1.52
  text "30" at 280.816,-1.311 h1.14 r60
  text "160" at 301.441,-1.851 h1.14 r290
  text "2010" at 21.6,-2.2 h1.52
  text "TSSOP-56" at 137.814,-2.528 h1.52 r90
  text "20" at 280.069,-3.158 h1.14 r70
  text "170" at 302.09,-3.734 h1.14 r280
  text "1210" at 35.337,-4.203 h1.52
  text "SOT-223" at 40.2,-4.495 h1.52
  text "10" at 279.655,-5.107 h1.14 r80
  text "180" at 302.392,-5.674 h1.14 r270
  text "2512" at 22.3,-6.2 h1.52
  text "FBGA-84" at 178.9,-6.559 h1.52
  text "D" at 11.927,-6.626 h1.52
  text "0" at 279.6,-6.738 h1.14 r90
  text "0" at 279.6,-6.738 h1.14 r90
  text "WS2812B-MINI" at 47.57,-6.781 h1.52
  text "TFBGA-64" at 168.279,-6.99 h1.52
  text "LGA-16" at 80.411,-7.413 h1.52
  text "QFN-64" at 89.845,-7.5 h1.52
  text "1806" at 32.2,-7.7 h1.52
  text "12" at 2.75,-8.05 h3 r180
  text "11" at 28.15,-8.05 h3 r180
  text "10" at 53.55,-8.05 h3 r180
  text "9" at 78.95,-8.05 h3 r180
  text "8" at 104.35,-8.05 h3 r180
  text "7" at 129.75,-8.05 h3 r180
  text "6" at 155.1,-8.05 h3 r180
  text "5" at 180.5,-8.05 h3 r180
  text "4" at 205.9,-8.05 h3 r180
  text "3" at 231.3,-8.05 h3 r180
  text "2" at 256.7,-8.05 h3 r180
  text "1" at 282.1,-8.05 h3 r180
  text "0" at 307.5,-8.05 h3 r180
  text "Inch" at 303.9,-8.145 h1.27 r180
  text "LFCSP-56" at 69.936,-8.743 h1.52
  text "DFN-8 5x6" at 58.971,-8.815 h1.52
  text "FBGA-256" at 193.5,-9.083 h1.52
Bottom:
  drawing of 25 lines, arcs and shapes, not listed
  text "mm" at 309.742,10.212 h1.27
  text "300" at 5.142,10 h3
  text "290" at 15.142,10 h3
  text "280" at 25.142,10 h3
  text "270" at 35.142,10 h3
  text "260" at 45.142,10 h3
  text "250" at 55.142,10 h3
  text "240" at 65.142,10 h3
  text "230" at 75.142,10 h3
  text "220" at 85.142,10 h3
  text "210" at 95.142,10 h3
  text "200" at 105.142,10 h3
  text "190" at 115.142,10 h3
  text "180" at 125.142,10 h3
  text "170" at 135.142,10 h3
  text "160" at 145.142,10 h3
  text "150" at 155.142,10 h3
  text "140" at 165.142,10 h3
  text "130" at 175.142,10 h3
  text "120" at 185.142,10 h3
  text "110" at 195.142,10 h3
  text "100" at 205.142,10 h3
  text "90" at 215.142,10 h3
  text "80" at 225.142,10 h3
  text "70" at 235.142,10 h3
  text "60" at 245.142,10 h3
  text "50" at 255.142,10 h3
  text "40" at 265.142,10 h3
  text "30" at 275.142,10 h3
  text "20" at 285.142,10 h3
  text "10" at 295.142,10 h3
  text "0" at 305.142,10 h3
  text "30 ℃" at 136.099,5.566 h1.6
  text "20 ℃" at 145.95,5.566 h1.6
  text "10 ℃" at 156.193,5.566 h1.6
  text "Temp Rise" at 167.7,5.566 h1.6
  text "30 ℃" at 179.549,5.566 h1.6
  text "20 ℃" at 189.4,5.566 h1.6
  text "10 ℃" at 199.643,5.566 h1.6
  text "Temp Rise" at 211.15,5.566 h1.6
  text "Uint Conversion" at 227.349,5.566 h1.6
  text "0.2" at 233.67,5.4 h1.14 r270
  text "0.3" at 234.631,5.4 h1.14 r270
  text "0.5" at 235.742,5.4 h1.14 r270
  text "0.6" at 237.003,5.4 h1.14 r270
  text "0.7" at 238.365,5.4 h1.14 r270
  text "0.8" at 239.826,5.4 h1.14 r270
  text "0.9" at 241.387,5.4 h1.14 r270
  text "1.0" at 243.048,5.4 h1.14 r270
  text "1.1" at 244.809,5.4 h1.14 r270
  text "1.2" at 246.671,5.4 h1.14 r270
  text "1.3" at 248.632,5.4 h1.14 r270
  text "1.4" at 250.693,5.4 h1.14 r270
  text "1.5" at 252.854,5.4 h1.14 r270
  text "1.6" at 255.115,5.4 h1.14 r270
  text "1.7" at 257.477,5.4 h1.14 r270
  text "1.8" at 259.938,5.4 h1.14 r270
  text "1.9" at 262.499,5.4 h1.14 r270
  text "2.0" at 265.16,5.399 h1.14 r270
  text "2.5" at 268.121,5.399 h1.14 r270
  text "3.0" at 271.583,5.4 h1.14 r270
  text "mm" at 273.824,5.401 h1.52 r270
  text "80" at 289.607,4.845 h1.14 r10
  text "90" at 291.697,4.814 h1.63
  text "100" at 293.765,4.591 h1.14 r350
  text "70" at 287.658,4.431 h1.14 r20
  text "110" at 295.703,3.915 h1.14 r340
  text "60" at 285.811,3.684 h1.14 r30
  text "Copper" at 166.9,3.537 h1.6
  text "Copper" at 210.35,3.537 h1.6
  text "1mm = 39.4mil" at 227.31,3.479 h1.6
  text "2oz" at 132.655,3.391 h1.6
  text "1oz" at 135.864,3.391 h1.6
  text "0.5oz" at 139.872,3.391 h1.6
  text "2oz" at 142.652,3.391 h1.6
  text "1oz" at 145.861,3.391 h1.6
  text "0.5oz" at 149.869,3.391 h1.6
  text "2oz" at 152.649,3.391 h1.6
  text "1oz" at 155.857,3.391 h1.6
  text "0.5oz" at 159.866,3.391 h1.6
  text "2oz" at 176.105,3.391 h1.6
  text "1oz" at 179.314,3.391 h1.6
  text "0.5oz" at 183.322,3.391 h1.6
  text "2oz" at 186.102,3.391 h1.6
  text "1oz" at 189.311,3.391 h1.6
  text "0.5oz" at 193.319,3.391 h1.6
  text "2oz" at 196.099,3.391 h1.6
  text "1oz" at 199.307,3.391 h1.6
  text "0.5oz" at 203.316,3.391 h1.6
  text "120" at 297.392,2.976 h1.14 r330
  text "50" at 284.121,2.628 h1.14 r40
  text "mm" at 162.95,1.9 h1.6
  text "mil" at 167.05,1.9 h1.6
  text "mm" at 206.4,1.9 h1.6
  text "mil" at 210.5,1.9 h1.6
  text "1inch = 1000mil" at 227.31,1.907 h1.6
  text "Maximum Current Amps" at 152.589,1.875 h1.6
  text "Maximum Current Amps" at 196.039,1.875 h1.6
  text "130" at 298.94,1.722 h1.14 r320
  text "40" at 282.641,1.295 h1.14 r50
  text "7.3" at 132.473,0.318 h1.6
  text "2.6" at 139.048,0.318 h1.6
  text "6.0" at 142.473,0.318 h1.6
  text "3.6" at 145.7,0.318 h1.6
  text "2.0" at 149.048,0.318 h1.6
  text "4.0" at 152.47,0.318 h1.6
  text "2.6" at 155.698,0.318 h1.6
  text "1.5" at 159.046,0.318 h1.6
  text "50" at 166.59,0.318 h1.6
  text "1.5" at 179.15,0.318 h1.6
  text "0.7" at 182.496,0.318 h1.6
  text "1.6" at 185.923,0.318 h1.6
  text "0.6" at 192.496,0.318 h1.6
  text "1.0" at 199.146,0.318 h1.6
  text "0.5" at 202.496,0.318 h1.6
  text "0.254" at 207.3,0.318 h1.6
  text "10" at 210.09,0.318 h1.6
  text "1inch = 25.4mm" at 227.31,0.334 h1.6
  text "4.4" at 135.7,0.3 h1.6
  text "1.27" at 163.393,0.3 h1.6
  text "2.2" at 175.925,0.3 h1.6
  text "1.2" at 189.15,0.3 h1.6
  text "1.4" at 195.92,0.3 h1.6
  text "140" at 300.247,0.218 h1.14 r310
  text "30" at 281.414,-0.275 h1.14 r60
  text "8" at 233.625,-0.9 h1.14 r270
  text "12" at 234.574,-0.9 h1.14 r270
  text "16" at 235.698,-0.9 h1.14 r270
  text "20" at 236.959,-0.901 h1.14 r270
  text "24" at 238.307,-0.901 h1.14 r270
  text "28" at 239.781,-0.901 h1.14 r270
  text "32" at 241.343,-0.9 h1.14 r270
  text "36" at 243.004,-0.9 h1.14 r270
  text "40" at 244.765,-0.9 h1.14 r270
  text "44" at 246.613,-0.9 h1.14 r270
  text "48" at 248.587,-0.9 h1.14 r270
  text "52" at 250.649,-0.9 h1.14 r270
  text "56" at 252.81,-0.9 h1.14 r270
  text "60" at 255.071,-0.9 h1.14 r270
  text "64" at 257.432,-0.9 h1.14 r270
  text "68" at 259.893,-0.9 h1.14 r270
  text "72" at 262.442,-0.9 h1.14 r270
  text "76" at 265.116,-0.9 h1.14 r270
  text "80" at 268.077,-0.9 h1.14 r270
  text "84" at 271.538,-0.9 h1.14 r270
  text "mil" at 273.824,-0.899 h1.52 r270
  text "1mil = 0.0254mm" at 227.31,-1.238 h1.6
  text "10.0" at 132.981,-1.245 h1.6
  text "6.0" at 135.7,-1.245 h1.6
  text "3.5" at 139.046,-1.245 h1.6
  text "7.8" at 142.473,-1.245 h1.6
  text "4.5" at 145.7,-1.245 h1.6
  text "2.8" at 149.048,-1.245 h1.6
  text "5.7" at 152.47,-1.245 h1.6
  text "3.5" at 155.696,-1.245 h1.6
  text "2.0" at 159.048,-1.245 h1.6
  text "1.905" at 163.85,-1.245 h1.6
  text "75" at 166.59,-1.245 h1.6
  text "3.0" at 175.923,-1.245 h1.6
  text "1.6" at 179.15,-1.245 h1.6
  text "1.0" at 182.496,-1.245 h1.6
  text "2.4" at 185.925,-1.262 h1.6
  text "1.3" at 189.15,-1.245 h1.6
  text "0.8" at 192.496,-1.245 h1.6
  text "1.6" at 195.92,-1.245 h1.6
  text "1.2" at 199.146,-1.262 h1.6
  text "0.6" at 202.496,-1.245 h1.6
  text "0.381" at 207.3,-1.245 h1.6
  text "15" at 210.09,-1.245 h1.6
  text "150" at 301.273,-1.489 h1.14 r300
  text "20" at 280.402,-2.218 h1.14 r70
  text "12.5" at 132.981,-2.807 h1.6
  text "7.5" at 135.7,-2.807 h1.6
  text "4.3" at 139.046,-2.807 h1.6
  text "9.9" at 142.473,-2.807 h1.6
  text "6.0" at 145.7,-2.807 h1.6
  text "3.5" at 149.046,-2.807 h1.6
  text "6.9" at 152.47,-2.807 h1.6
  text "2.6" at 159.048,-2.807 h1.6
  text "2.54" at 163.394,-2.807 h1.6
  text "100" at 166.971,-2.807 h1.6
  text "3.6" at 175.923,-2.807 h1.6
  text "3.0" at 185.923,-2.807 h1.6
  text "1.0" at 192.496,-2.807 h1.6
  text "1.3" at 199.146,-2.807 h1.6
  text "0.7" at 202.496,-2.807 h1.6
  text "0.508" at 207.3,-2.807 h1.6
  text "20" at 210.092,-2.807 h1.6
  text "1oz = 0.0356mm" at 227.31,-2.81 h1.6
  text "4.2" at 155.696,-2.825 h1.6
  text "2.4" at 179.151,-2.825 h1.6
  text "1.2" at 182.496,-2.825 h1.6
  text "1.7" at 189.15,-2.825 h1.6
  text "2.1" at 195.922,-2.825 h1.6
  text "160" at 301.987,-3.349 h1.14 r290
  text "width" at 167.966,-3.8 h1.6 r270
  text "width" at 211.416,-3.8 h1.6 r270
  text "10" at 279.82,-4.124 h1.14 r80
  text "20.5" at 132.983,-4.37 h1.6
  text "13.0" at 136.03,-4.37 h1.6
  text "7.5" at 139.046,-4.37 h1.6
  text "11.0" at 142.956,-4.37 h1.6
  text "10.0" at 145.979,-4.37 h1.6
  text "6.0" at 149.046,-4.37 h1.6
  text "11.5" at 152.902,-4.37 h1.6
  text "7.0" at 155.696,-4.37 h1.6
  text "4.2" at 159.046,-4.387 h1.6
  text "5.08" at 163.393,-4.37 h1.6
  text "200" at 166.972,-4.37 h1.6
  text "4.0" at 175.923,-4.37 h1.6
  text "2.8" at 179.151,-4.37 h1.6
  text "1.5" at 182.496,-4.37 h1.6
  text "3.3" at 185.923,-4.37 h1.6
  text "2.2" at 189.151,-4.387 h1.6
  text "1.2" at 192.496,-4.387 h1.6
  text "2.5" at 195.922,-4.37 h1.6
  text "1.7" at 199.146,-4.387 h1.6
  text "0.9" at 202.496,-4.37 h1.6
  text "0.635" at 207.3,-4.37 h1.6
  text "25" at 210.092,-4.37 h1.6
  text "2oz = 0.0712mm" at 227.312,-4.383 h1.6
  text "UP主：北冥有鱼qzs" at 51.396,-5.186 h4.17
  text "2021.09.23" at 20,-5.291 h2.65
  text "170" at 302.367,-5.305 h1.14 r280
  text "B" at 68.074,-5.544 h15
  text "24.5" at 132.983,-5.932 h1.6
  text "15.0" at 136.03,-5.932 h1.6
  text "9.0" at 139.046,-5.932 h1.6
  text "20.0" at 142.958,-5.932 h1.6
  text "12.3" at 145.979,-5.932 h1.6
  text "12.3" at 152.902,-5.932 h1.6
  text "8.3" at 155.696,-5.932 h1.6
  text "5.0" at 159.046,-5.932 h1.6
  text "6.35" at 163.393,-5.932 h1.6
  text "250" at 166.972,-5.932 h1.6
  text "5.0" at 175.923,-5.932 h1.6
  text "3.2" at 179.15,-5.932 h1.6
  text "4.0" at 185.923,-5.932 h1.6
  text "2.5" at 189.151,-5.932 h1.6
  text "3.0" at 195.92,-5.932 h1.6
  text "1.9" at 199.146,-5.932 h1.6
  text "0.762" at 207.3,-5.932 h1.6
  text "30" at 210.09,-5.932 h1.6
  text "7.2" at 149.046,-5.95 h1.6
  text "1.7" at 182.496,-5.95 h1.6
  text "1.4" at 192.496,-5.95 h1.6
  text "1.1" at 202.496,-5.95 h1.6
  text "F = 9 x C ÷ 5 + 32" at 227.31,-5.967 h1.6
  text "0" at 279.6,-6.261 h1.14 r90
  text "180" at 302.4,-7.2 h1.14 r270
  text "0" at 3.342,-8.05 h3 r180
  text "1" at 28.742,-8.05 h3 r180
  text "2" at 54.142,-8.05 h3 r180
  text "3" at 79.542,-8.05 h3 r180
  text "4" at 104.942,-8.05 h3 r180
  text "5" at 130.342,-8.05 h3 r180
  text "6" at 155.742,-8.05 h3 r180
  text "7" at 181.092,-8.05 h3 r180
  text "8" at 206.492,-8.05 h3 r180
  text "9" at 231.892,-8.05 h3 r180
  text "10" at 257.292,-8.05 h3 r180
  text "11" at 282.692,-8.05 h3 r180
  text "12" at 308.092,-8.05 h3 r180
  text "Inch" at 6.942,-8.145 h1.27 r180

## Silkscreen, mask and mechanical layers (free items; w line width, h text height)
Silkscreen Bottom:
  lines w0.127: 187.605,14.597 187.605,14.597 ; 238.505,-14.563 238.505,-14.563
Solder Mask Top:
  drawing of 277 lines, arcs and shapes, not listed
  text "mm" at 1.1,10.212 h1.27
  text "0" at 5.7,10 h3
  text "10" at 15.7,10 h3
  text "20" at 25.7,10 h3
  text "30" at 35.7,10 h3
  text "40" at 45.7,10 h3
  text "50" at 55.7,10 h3
  text "60" at 65.7,10 h3
  text "70" at 75.7,10 h3
  text "80" at 85.7,10 h3
  text "90" at 95.7,10 h3
  text "100" at 105.7,10 h3
  text "110" at 115.7,10 h3
  text "120" at 125.7,10 h3
  text "130" at 135.7,10 h3
  text "140" at 145.7,10 h3
  text "150" at 155.7,10 h3
  text "160" at 165.7,10 h3
  text "170" at 175.7,10 h3
  text "180" at 185.7,10 h3
  text "190" at 195.7,10 h3
  text "200" at 205.7,10 h3
  text "210" at 215.7,10 h3
  text "220" at 225.7,10 h3
  text "230" at 235.7,10 h3
  text "240" at 245.7,10 h3
  text "250" at 255.7,10 h3
  text "260" at 265.7,10 h3
  text "270" at 275.7,10 h3
  text "280" at 285.7,10 h3
  text "290" at 295.7,10 h3
  text "300" at 305.7,10 h3
  text "0201" at 33.4,7.9 h1.52
  text "0603_LED" at 23.6,7.1 h1.52
  text "CASE-A" at 13.8,6.8 h1.52
  text "0402" at 33.4,6.1 h1.52
  text "mm" at 232.9,5.4 h1.52 r90
  text "0.2" at 234.3,5.399 h1.14 r90
  text "0.3" at 235.3,5.399 h1.14 r90
  text "0.5" at 236.374,5.399 h1.14 r90
  text "0.6" at 237.703,5.399 h1.14 r90
  text "0.7" at 239.065,5.399 h1.14 r90
  text "0.8" at 240.526,5.399 h1.14 r90
  text "0.9" at 242.087,5.399 h1.14 r90
  text "1.0" at 243.748,5.399 h1.14 r90
  text "1.1" at 245.509,5.399 h1.14 r90
  text "1.2" at 247.371,5.399 h1.14 r90
  text "1.3" at 249.332,5.399 h1.14 r90
  text "1.4" at 251.393,5.399 h1.14 r90
  text "1.5" at 253.554,5.399 h1.14 r90
  text "1.6" at 255.815,5.399 h1.14 r90
  text "1.7" at 258.177,5.399 h1.14 r90
  text "1.8" at 260.638,5.399 h1.14 r90
  text "1.9" at 263.199,5.399 h1.14 r90
  text "2.0" at 265.86,5.398 h1.14 r90
  text "2.5" at 268.821,5.398 h1.14 r90
  text "3.0" at 272.283,5.399 h1.14 r90
  text "100" at 292.194,4.867 h1.14 r350
  text "90" at 290.202,4.814 h1.63
  text "0.22F" at 50.27,4.719 h1.52
  text "0805_LED" at 24.2,4.7 h1.52
  text "80" at 288.459,4.649 h1.14 r10
  text "DFN-8 3x3" at 59.1,4.441 h1.52
  text "0603" at 34.3,4.4 h1.52
  text "110" at 294.101,4.425 h1.14 r340
  text "UFQFPN-20" at 69.159,4.26 h1.52
  text "70" at 286.565,4.007 h1.14 r20
  text "120" at 295.961,3.711 h1.14 r330
  text "TQFN-24" at 79.755,3.136 h1.52
  text "CASE-B" at 13.8,3.1 h1.52
  text "60" at 284.806,3.045 h1.14 r30
  text "BGA-14" at 169.126,2.883 h1.52
  text "130" at 297.718,2.747 h1.14 r320
  text "SOT-89" at 40.4,2.129 h1.52
  text "HVQFN-32" at 89.341,1.939 h1.52
  text "0805" at 34.4,1.9 h1.52
  text "50" at 283.236,1.819 h1.14 r40
  text "140" at 299.222,1.44 h1.14 r310
  text "1812" at 21.5,1.4 h1.52
  text "QFP-64" at 103.045,0.644 h1.52
  text "40" at 281.872,0.378 h1.14 r50
  text "TSOP-56" at 152.01,-0.094 h1.52
  text "TQFP-64" at 118.917,-0.1 h1.52
  text "150" at 300.476,-0.108 h1.14 r300
  text "1206" at 35.373,-0.787 h1.52
  text "mil" at 232.9,-0.899 h1.52 r90
  text "8" at 234.3,-0.9 h1.14 r90
  text "8" at 234.3,-0.9 h1.14 r90
  text "12" at 235.274,-0.9 h1.14 r90
  text "12" at 235.274,-0.9 h1.14 r90
  text "16" at 236.372,-0.9 h1.14 r90
  text "20" at 237.634,-0.901 h1.14 r90
  text "24" at 239.007,-0.901 h1.14 r90
  text "28" at 240.456,-0.901 h1.14 r90
  text "32" at 242.017,-0.9 h1.14 r90
  text "36" at 243.678,-0.9 h1.14 r90
  text "40" at 245.44,-0.9 h1.14 r90
  text "44" at 247.313,-0.9 h1.14 r90
  text "48" at 249.262,-0.9 h1.14 r90
  text "52" at 251.323,-0.9 h1.14 r90
  text "56" at 253.484,-0.9 h1.14 r90
  text "60" at 255.746,-0.9 h1.14 r90
  text "64" at 258.107,-0.9 h1.14 r90
  text "68" at 260.568,-0.9 h1.14 r90
  text "72" at 263.142,-0.9 h1.14 r90
  text "76" at 265.79,-0.9 h1.14 r90
  text "80" at 268.752,-0.9 h1.14 r90
  text "84" at 272.213,-0.9 h1.14 r90
  text "DFN-8-EP 3x3" at 58.082,-1.087 h1.52
  text "C" at 11.2,-1.2 h1.52
  text "30" at 280.816,-1.311 h1.14 r60
  text "160" at 301.441,-1.851 h1.14 r290
  text "2010" at 21.6,-2.2 h1.52
  text "TSSOP-56" at 137.814,-2.528 h1.52 r90
  text "20" at 280.07,-3.159 h1.14 r70
  text "170" at 302.09,-3.735 h1.14 r280
  text "1210" at 35.337,-4.203 h1.52
  text "SOT-223" at 40.2,-4.495 h1.52
  text "10" at 279.655,-5.107 h1.14 r80
  text "180" at 302.392,-5.674 h1.14 r270
  text "180" at 302.392,-5.674 h1.14 r270
  text "2512" at 22.3,-6.2 h1.52
  text "FBGA-84" at 178.9,-6.559 h1.52
  text "D" at 11.927,-6.626 h1.52
  text "0" at 279.6,-6.738 h1.14 r90
  text "0" at 279.6,-6.738 h1.14 r90
  text "WS2812B-MINI" at 47.57,-6.781 h1.52
  text "TFBGA-64" at 168.279,-6.99 h1.52
  text "LGA-16" at 80.411,-7.413 h1.52
  text "QFN-64" at 89.845,-7.5 h1.52
  text "1806" at 32.2,-7.7 h1.52
  text "12" at 2.75,-8.05 h3 r180
  text "11" at 28.15,-8.05 h3 r180
  text "11" at 28.15,-8.05 h3 r180
  text "10" at 53.55,-8.05 h3 r180
  text "10" at 53.55,-8.05 h3 r180
  text "9" at 78.95,-8.05 h3 r180
  text "9" at 78.95,-8.05 h3 r180
  text "8" at 104.35,-8.05 h3 r180
  text "8" at 104.35,-8.05 h3 r180
  text "7" at 129.75,-8.05 h3 r180
  text "7" at 129.75,-8.05 h3 r180
  text "6" at 155.1,-8.05 h3 r180
  text "6" at 155.1,-8.05 h3 r180
  text "5" at 180.5,-8.05 h3 r180
  text "5" at 180.5,-8.05 h3 r180
  text "4" at 205.9,-8.05 h3 r180
  text "3" at 231.3,-8.05 h3 r180
  text "2" at 256.7,-8.05 h3 r180
  text "1" at 282.1,-8.05 h3 r180
  text "0" at 307.5,-8.05 h3 r180
  text "Inch" at 303.9,-8.145 h1.27 r180
  text "LFCSP-56" at 69.936,-8.743 h1.52
  text "DFN-8 5x6" at 58.971,-8.815 h1.52
  text "FBGA-256" at 193.5,-9.083 h1.52